# Altium PCB MIRA220CSP.PcbDoc (continued)
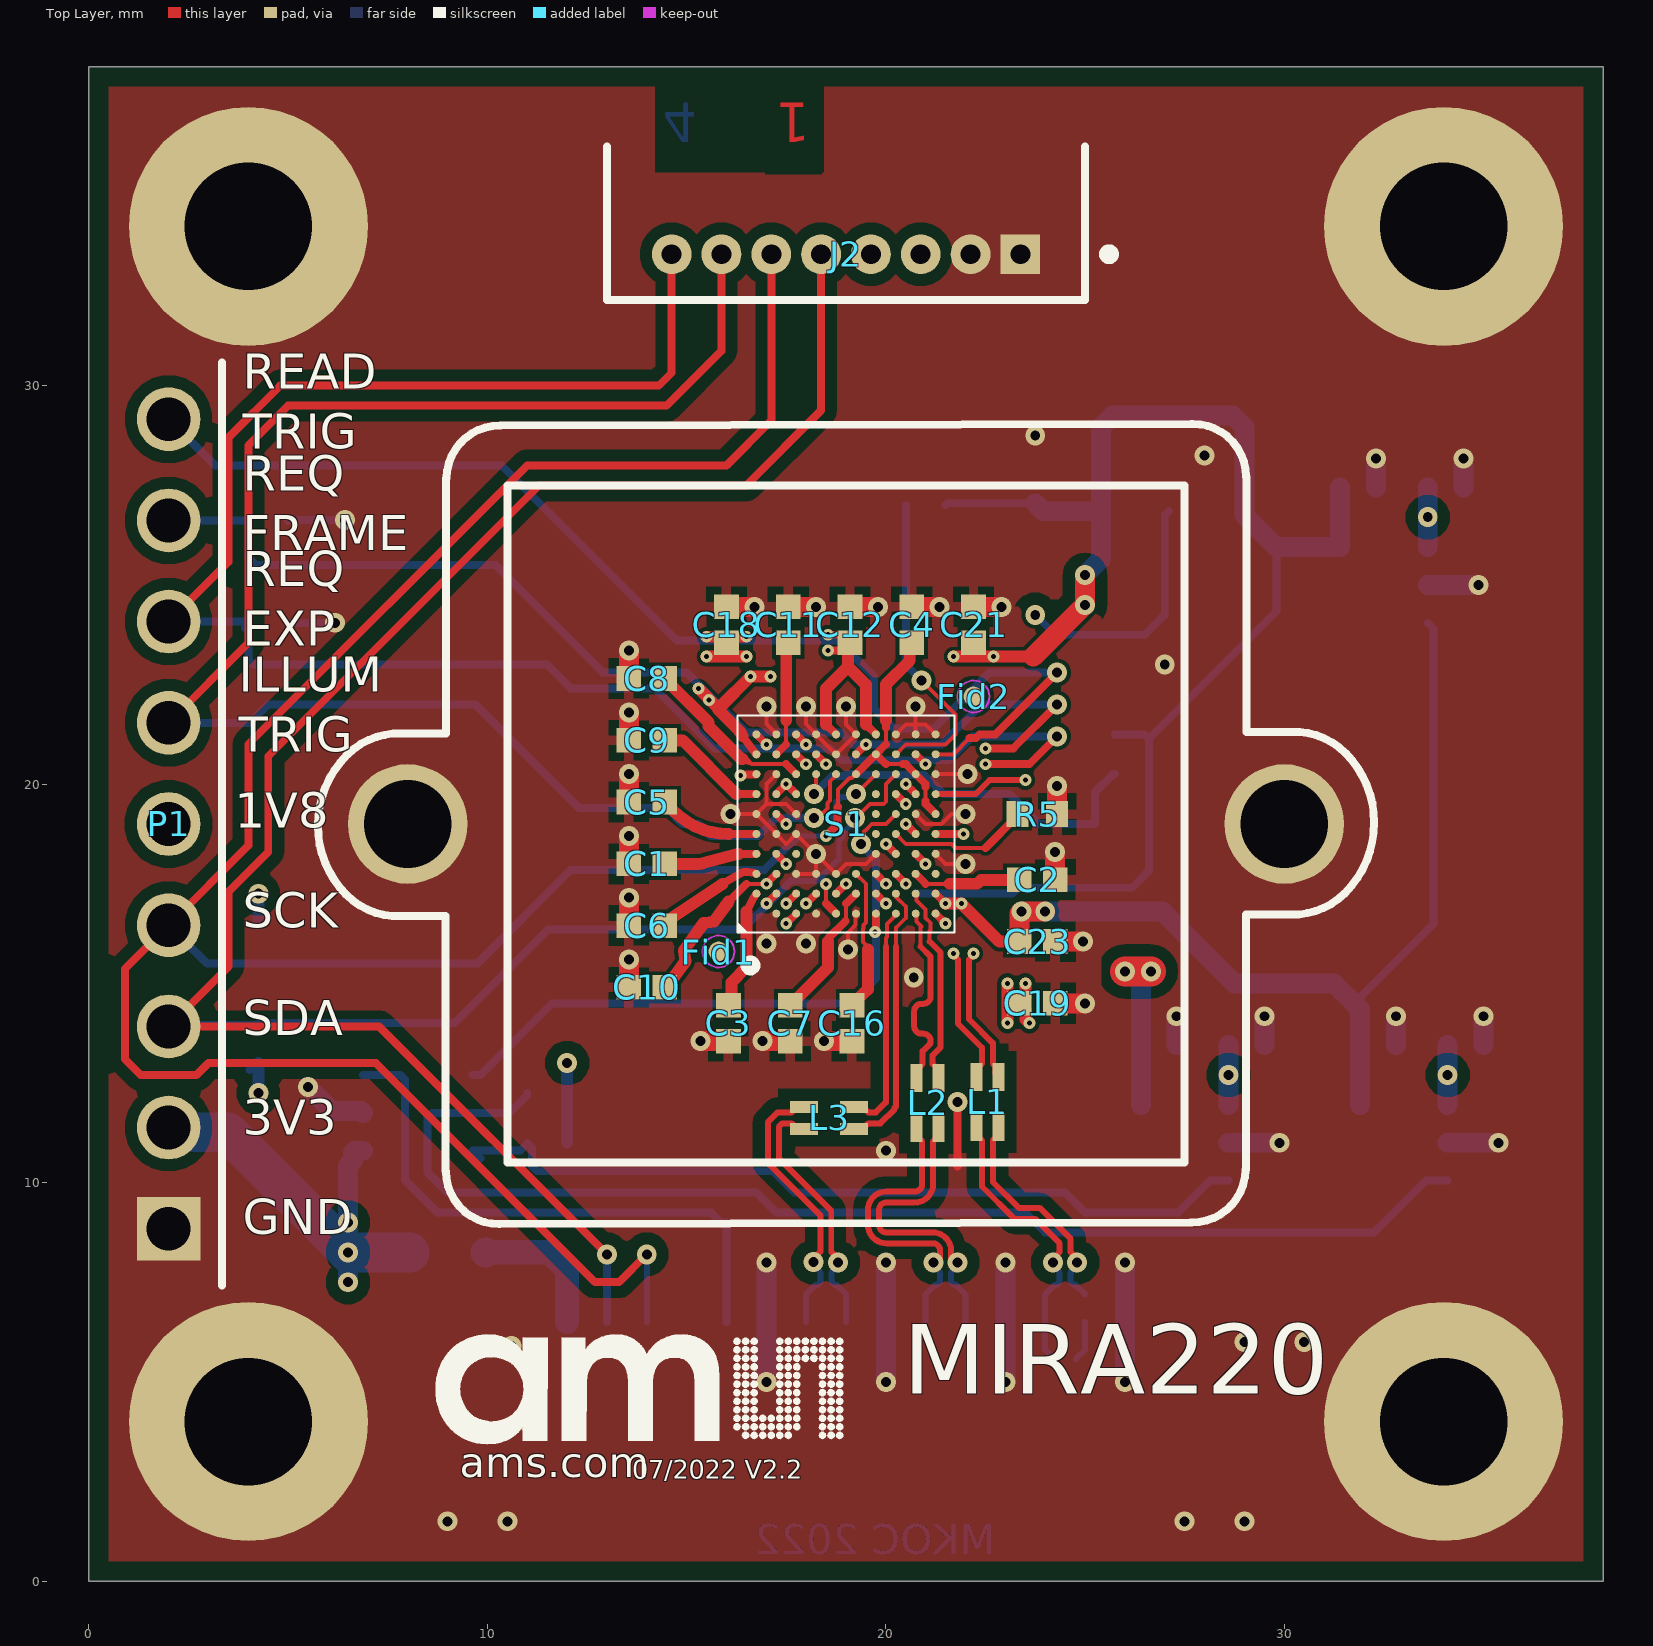
[diagram p0: Top Layer view]
## Nets (pads, with @x,y where several pads share a name; then routed paths per layer and width w, separated by ;. In a path a pad name is that pad's centre, name@x,y a point inside that pad or via, vN(x,y) a via of type N, cw(c..) or ccw(c..) an arc to the next point about the centre after c; other vN are vias at no path point) (continued)
NC_C10: S1.C10
NC_D3: S1.D3
NC_E7: S1.E7
NC_F7: S1.F7
NC_G7: S1.G7
NetJ1_15: J1.15 R1.1 | length 3.5
  Bottom Layer w0.61: R1.1 11.561,8.25 12,7.811 J1.15
R_EXT: R5.2 S1.E8 | length 3.6
  Top Layer w0.1: S1.E8 20.5,18.5 21.65,18.5 21.75,18.4 22.5,18.4 ; R5.2@23.3,19.2 R5.2
  Top Layer w0.2: 22.5,18.4 R5.2@23.3,19.2
READ_TRIGGER: P1.9 S1.J10 | length 30.5
  Top Layer w0.1: S1.J10 21.7,20.75 22.103,21.153
  Top Layer w0.2: 22.103,21.153 22.258,21.153 22.355,21.25 22.75,21.25 v1(24.3,22.8)
  Bottom Layer w0.2: P1.9 3.16,28 10.36,28 14.76,23.6 18.8,23.6 19.7,22.7 19.7,21.9 20.2,21.4 21.2,21.4 22.6,22.8 v1(24.3,22.8)
REQ_EXP: J2.8 P1.7 R2.1 S1.G8 | length 49.9
  Top Layer w0.2: P1.7 3.5,25.58 3.5,28.7 4.8,30 14.3,30 14.625,30.325 J2.8 ; S1.G8 v2(20.5,19.5) ; v2(22.5,20.5) 23.6,20.5 v1(24.3,21.2) v1@24.4,21.2
  Layer 2 w0.1: v2(20.5,19.5) 21,19.5 21.65,20.15 21.65,20.416 21.884,20.65 22.296,20.65 22.446,20.5 v2(22.5,20.5)
  Bottom Layer w0.2: P1.7 3.92,24.08 R2.1 ; R2.1@3.92,23.92 R2.1 ; v1(24.3,21.2) 22.175,21.2 21.575,20.6 18.9,20.6 18.6,20.9 15.7,20.9 14.2,22.4 12.1,22.4 11.5,23 4.117,23 4,23.117 R2.1
REQ_FRAME: P1.8 R3.1 S1.G9 | length 30.8
  Top Layer w0.2: v2(20.5,20) S1.G9 ; v2(22.5,20.9) 23.2,20.9 v1(24.3,22)
  Layer 2 w0.1: v2(20.5,20) 21.2,20 21.45,20.25 21.45,20.499 21.801,20.85 22.001,20.85 22.051,20.9 v2(22.5,20.9)
  Bottom Layer w0.2: P1.8@2.06,26.56 P1.8 3.98,26.62 R3.1 4,25.7 4.2,25.5 10.2,25.5 12.9,22.8 15,22.8 16.5,21.3 18.875,21.3 19.175,21 21.4,21 22.4,22 v1(24.3,22)
SCK: J1.13 J2.6 P1.4 R13.1 S1.H7 | length 68
  Top Layer w0.1: v3(19.25,19.75) S1.H7
  Top Layer w0.2: v1(14,8.2) 13.3,7.5 12.7,7.5 7.2,13 3,13 2.7,12.7 1.3,12.7 0.9,13.1 0.9,15.36 P1.4 4,18.46 4,21 11,28 16,28 17.125,29.125 J2.6
  Bottom Layer w0.125: 17.8,18.7 18.527,18.7 18.663,18.836 18.663,19.238 18.75,19.325 18.75,19.55
  Bottom Layer w0.15: J1.13 v1(14,8.2) ; 18.75,19.55 18.883,19.683 19.183,19.683 v3(19.25,19.75)
  Bottom Layer w0.2: P1.4 2.96,15.5 R13.1 9.75,15.5 12.1,17.85 16.95,17.85 17.8,18.7
SDA: J1.14 J2.5 P1.3 R12.1 S1.H8 | length 65.8
  Top Layer w0.1: v3(19.231,19.15) 19.25,19.15 19.6,19.5 19.941,19.5 20,19.559 20,20 S1.H8
  Top Layer w0.2: v1(13,8.2) 7.28,13.92 P1.3 3.5,15.42 3.5,17.3 4.5,18.3 4.5,20.7 11.3,27.5 16.5,27.5 18.375,29.375 J2.5
  Bottom Layer w0.125: 18.825,18.125 18.825,18.568 18.913,18.656 18.913,18.692 18.938,18.716 18.938,18.794 19.231,19.088 v3(19.231,19.15)
  Bottom Layer w0.15: 17.625,17.575 18.275,17.575 18.825,18.125
  Bottom Layer w0.2: P1.3 2.04,13.96 4.21,13.96 R12.1 9.173,14 11.523,16.35 16.4,16.35 17.625,17.575 ; J1.14 v1(13,8.2)
VDD11A: C2.1 S1.C9 | length 2.9
  Top Layer w0.1: 21,17.5 21.6,17.5 ; C2.1@23.25,17.5 C2.1
  Top Layer w0.2: S1.C9 21,17.5
  Top Layer w0.3: 21.6,17.5 22.292,17.5 22.392,17.6 C2.1
VDD11D: C4.1 S1.A5 S1.F10 S1.H6 S1.H9 S1.J7 | length 10.8
  Top Layer w0.1: 18.5,17.003 v2(18.5,17.495) ; S1.A5 S1.A5@18.75,16.753 ; 18.8,19 18.8,19.433 18.8,19.866 19.055,20.121 cw(c19.126,20.05) 19.109,20.149 19.126,20.151 ccw(c19.109,20.25) 19.179,20.179 19.2,20.2 S1.H6 ; 20,20.5 20.424,20.5 20.5,20.5 ; 20,21 20,21.416 ; 21,19.5 21,19.576 21,19.924 21,20
  Top Layer w0.2: 18.5,17.003 S1.A5@18.75,16.753 ; v2(18.5,18.7) 18.8,19 18.781,19.019 18.781,19.414 18.8,19.433 ; S1.H6 S1.J7 ; 20,20.5 S1.J7 ; 20,21 S1.J7 ; 20,21.416 20,21.495 20,21.603 ; 20.5,20.5 S1.H9 21,20 ; 21,19.5 S1.F10
  Top Layer w0.3: 20,21.603 20,22.5 20.6,23.1 C4.1@20.6,23.55
  Layer 2 w0.2: v2@18.5,17.5 18.5,17.85 18.7,18.05 18.7,18.5 v2(18.5,18.7)
VDD11P: C7.1 S1.B6 | length 3.4
  Top Layer w0.1: 19,16.646 19,17
  Top Layer w0.2: 18.55,16.057 18.55,16.126 18.992,16.568 ; 19,17 S1.B6
  Top Layer w0.3: C7.1 18.55,15.4 18.55,16.057
VDD18: C20.2 C21.2 C24.2 P1.5 R7.1 R8.2 R9.2 S1.E10 S1.J6 S1.J9 U2.5 X1.1 X1.4 | length 79.2
  Top Layer w0.2: S1.J6 v2(19.5,21) ; S1.J9 v2(21,20.5) ; S1.E10 v2(21.95,18.75) ; 22.2,23.2 C21.2
  Top Layer w0.3: v2(21.7,23.2) 22.2,23.2 v2(22.7,23.2) 23.7,23.2
  Top Layer w0.5: 23.7,23.2 v1(25,24.5) v1(25,25.25)
  Layer 2 w0.3: v2(19.5,21) 20.5,21 ; v2(21,20.5) 20.504,20.996 20.823,21.316 22.809,21.316 22.95,21.175 ; v2(21.7,23.2) v2(22.7,23.2) 22.95,22.95 22.95,21.175 ; v2(21.95,18.75) 22.3,18.75 22.95,19.4 22.95,21.175
  Layer 2 w0.5: P1.5 9,26 24.25,26 v1(25,25.25) v1(25,24.5)
  Bottom Layer w0.2: R7.1 23.178,17.25 23.328,17.4 26.183,17.4 26.6,17.817 26.6,21.133 ; R9.2 21.55,27.05 C24.2 ; R8.2 26.483,21.25 26.6,21.133 ; 29.8,25.95 29.8,24.333 26.6,21.133
  Bottom Layer w0.5: C24.2 23.95,26.85 X1.4 ; v1(25,24.5) v1(25,25.25) 25.4,25.65 X1.4 ; C20.2 U2.5 29.8,25.95 29,26.75 29,28.957 28.707,29.25 25.693,29.25 25.4,28.957 X1.1 X1.4
VDD25: C17.2 C18.2 C19.2 S1.A3 S1.A7 S1.A10 S1.B2 S1.B3 S1.B4 S1.D2 S1.D8 S1.D9 S1.E9 S1.F2 S1.G2 S1.G3 S1.H1 S1.J3 S1.J4 S1.K1 S1.K3 U1.5 | length 15.5
  Top Layer w0.2: v2(16.347,20.219) 16.367,20.238 16.738,20.238 S1.H1 ; S1.K1 v2(17,21) ; v2(17,17) S1.B2 ; S1.D2 v2(17.5,18) ; S1.F2 v2(17.5,19) ; S1.G2 v2(17.5,20) S1.G3 ; v2(17.5,16.5) S1.A3 ; v2(17.5,17) S1.B3 ; S1.J3 v2(18,20.5) ; S1.K3 v2(18,21) ; v2(18,17) S1.B4 ; S1.J4 v2(18.5,20.5) ; v2(19.728,16.291) 19.747,16.31 19.747,16.418 19.75,16.421 S1.A7 ; v2(20,18.5) S1.D8 ; v2(20.5,19) S1.E9 ; S1.D9 v2(21,18) ; S1.A10 v2(21.5,16.5)
  Top Layer w0.3: v2(15.5,23.2) v2(16.5,23.2) ; v2(15.5,23.7) v2(16.5,23.7) ; v2(23.05,14) v2(23.05,15) ; v2(23.5,15) 23.5,14.65 C19.2 23.51,14.34 23.51,14.09 v2(23.6,14)
  Top Layer w0.75: v1(26,15.3) v1(26.65,15.3)
  Bottom Layer w0.5: U1.5 C17.2 26.4,15.05 v1(26.65,15.3)
  Bottom Layer w0.75: v1(26,15.3) v1(26.65,15.3)
VDD33: C13.2 C14.2 C15.2 J2.3 J2.4 P1.2 R1.2 R4.1 R6.1 R12.2 R13.2 U1.1 U2.1 U3.1 U4.1 | length 149.6
  Layer 3 w0.3: v1(6.5,9) 10.5,13 v1(12,13)
  Layer 3 w1: 20.25,35.375 20.25,33.3 ; v1(4.25,12.25) v1(4.25,17.25) 4.25,28.914 4.836,29.5 7.4,29.5 12.7,34.8 19.625,34.8 ; v1(4.25,12.25) 3.495,11.495 2.115,11.495 P1.2 5.12,11.38 ; v1(4.25,12.25) 5.12,11.38 ; 5.12,11.38 6.5,10 v1(6.5,9) v1(6.5,8.25) v1(6.5,7.5) 11.6,7.5 15.6,3.5 26.2,3.5 27.2,4.5 27.2,6.9 28.6,8.3 v1(28.6,12.7) v1(34.1,12.7) 34.1,19.45 33.6,19.95 v1(33.6,26.7) 31.086,26.7 30.5,27.286 30.5,28.5 23.5,35.5 21,35.5 ; 19.625,34.8 J2.4 20.25,33.3 ; 19.625,34.8 19.625,35.425 19.7,35.5 20.25,35.5 21,35.5 ; 20.25,33.3 J2.3 20.875,35.375 21,35.5
  Bottom Layer w0.2: R12.2@4.025,12.825 4.2,13 R12.2
  Bottom Layer w0.3: v1(4.25,12.25) R12.2 ; R13.2 v1(4.25,17.25) ; R4.1 R6.1 v1(12,13)
  Bottom Layer w0.5: v1(6.5,7.5) v1(6.5,8.25) v1(6.5,9) 6.5,10.425 6.625,10.55 6.625,10.75 6.675,10.8 U4.1 ; U1.1 v1(28.6,12.7) C13.2 ; U2.1 v1(33.6,26.7) C14.2 ; U3.1 v1(34.1,12.7) C15.2
  Bottom Layer w1: P1.2 2.115,11.265 3.485,11.265 v1(6.5,8.25) R1.2
VDD135: C22.2 C23.2 S1.B5 S1.B7 S1.B10 U2.3 U3.5 | length 31.3
  Top Layer w0.2: S1.B5 v2(19,17.5) ; S1.B7 v2(20,17) ; S1.B10 v2(21.5,17)
  Top Layer w0.3: v2(21.5,17) v2(21.9,17) 22.85,16.05 C23.2
  Top Layer w0.5: C23.2 23.35,16.75 v1(23.4,16.8) v1(24,16.8)
  Layer 2 w0.2: v2(19,17.5) 19.5,17.5 ; v2(20,17) 19.5,17.5 ; v2(21.5,17) 20.5,18 20,18 19.5,17.5
  Layer 2 w0.3: v2(21.5,17) v2(21.9,17)
  Bottom Layer w0.2: 31.9,14.35 31.9,14.65 33.75,16.5 33.75,23.9 U2.3
  Bottom Layer w0.5: v1(23.4,16.8) v1(24,16.8) 26.95,16.8 27.096,16.654 28.75,15 31.25,15 31.9,14.35 C22.2 U3.5
VDDINT_2: C1.2 S1.D1 | length 2.3
  Top Layer w0.2: 16.3,18.25 S1.D1
  Top Layer w0.3: C1.2 15.311,18 ccw(c15.311,18.3) 15.387,18.01 ; 15.388,18.01 16.3,18.25
VDDINT_3: C3.2 S1.B1 | length 3.1
  Top Layer w0.2: 16.5,16.8 16.69,17.162 cw(c17,17) 16.72,17.21 S1.B1
  Top Layer w0.3: C3.2 16.128,14.528 16.128,15.028 16.5,15.4 16.5,16.8
VDDINT_4: C5.2 S1.E1 | length 2.5
  Top Layer w0.2: 16.05,18.75 S1.E1
  Top Layer w0.3: C5.2 14.682,19.318 ccw(c16.05,20.681) 16.05,18.75
VDDINT_5: C6.2 S1.C1 | length 2.7
  Top Layer w0.2: C6.2 C6.2@14.66,16.66 ; 15.897,17.498 cw(c16.009,17.332) 15.908,17.505 16.35,17.76 cw(c16.5,17.5) 16.536,17.798 16.645,17.785 S1.C1
  Top Layer w0.3: C6.2@14.66,16.66 15.897,17.498
VDDINT_6: C8.2 S1.H3 | length 4.9
  Top Layer w0.1: 16.363,20.586 16.645,20.5 ; 17.5,20.5 16.645,20.5 ; 16.412,20.622 16.406,20.622 16.4,20.629 16.412,20.622 ; 16.412,20.622 16.522,20.622 16.645,20.5 ; 16.412,20.622 16.645,20.5
  Top Layer w0.2: 17.5,20.5 S1.H3
  Top Layer w0.3: C8.2 15.55,21.55 15.55,21.455 16.376,20.629 16.4,20.629
VDDINT_7: C10.2 C12.2 S1.C2 S1.J1 S1.K5 S1.K7 | length 22.6
  Top Layer w0.1: C10.2 14.61,15.06 C10.2@14.71,15.16 ; 16.5,17.5 v2(17,17.5) ; v2(18.55,23.35) 18.59,23.35 v2@18.64,23.3 ; v2@18.55,23.738 v2(18.55,23.75) ; C12.2@18.936,23.3 19.04,23.3 19.05,23.29 19.05,23.5 C12.2@19.05,23.55
  Top Layer w0.2: 16.05,17.05 16.5,17.5 ; 16.421,21.179 cw(c16.579,21.301) 16.403,21.207 16.423,21.181 S1.J1 ; v2(17,17.5) S1.C2 ; 18.5,21.5 S1.K5 ; v2(18.55,23.75) 18.9,23.75 C12.2 19.05,23.5 18.9,23.35 v2@18.59,23.35 ; 19.5,21.5 S1.K7
  Top Layer w0.3: C10.2@14.61,15.06 14.97,15.557 14.927,15.823 15.424,16.51 15.69,16.553 16.05,17.05 ; v2(15.3,22.4) 15.783,21.917 15.783,21.883 16.325,21.34 16.325,21.325 ; 15.85,21.95 v2(16.6,22.7) v2(17.1,22.7) ; 16.326,21.324 cw(c16.112,21.113) 16.376,21.256 16.402,21.208 ; 18.5,21.5 18.5,22.4 19.05,22.95 ; C12.2@19.05,23.29 19.05,22.95 ; 19.5,21.5 19.5,22.5 19.05,22.95
  Layer 2 w0.1: v2@18.526,23.75 v2(18.55,23.75)
  Layer 2 w0.3: v2(15.3,22.4) 15.3,22.366 v2(15.558,22.108) 15.558,20.533 15.55,20.525 15.55,18.95 v2(17,17.5) ; v2(16.6,22.7) 17.9,22.7 v2(18.55,23.35) v2(18.55,23.75)
VDDNEG_1: C9.1 S1.G1 | length 2.9
  Top Layer w0.2: 16.25,19.75 S1.G1
  Top Layer w0.3: C9.1 14.9,21.1 16.25,19.75
VDDNEG_2: C11.1 S1.J2 | length 3
  Top Layer w0.1: 17.5,21 17.5,21.6 ; C11.1@17.5,23.5 C11.1@17.5,23.55
  Top Layer w0.2: S1.J2 17.5,21
  Top Layer w0.3: 17.5,21.6 17.5,23.5 C11.1
pads on no net: Fid1.0 Fid2.0 U1.4 U2.4 U3.4

## Polygon pours and split planes (outlines as drawn)
GND on Layer 2 "GND_L02_P003" (solid, remove dead copper, pour order 3): 0.5,0.5 37.5,0.5 37.5,37.5 0.5,37.5
VDD25 on Layer 2 "VDD25_L02_P001" (solid, remove dead copper, pour order 1): 27,13.5 22.5,13.5 22.5,14.5 21.3,15.2 19.5,15.2 18.5,14.5 16,14.5 14.5,16 14.5,23.5 15.5,24.5 25.2,24.5 27,22.7
GND on Top Layer "GND_L01_P004" (solid, remove dead copper, pour order 4): 0.5,0.5 37.5,0.5 37.5,37.5 0.5,37.5
GND on Top Layer "GND_L01_P000" (solid, remove dead copper, pour order 0): 25.4,13.5 13.5,13.5 13.5,24.45 25.4,24.45
GND on Layer 3 "GND_L03_P002" (solid, remove dead copper, pour order 2): 0.5,0.5 37.5,0.5 37.5,37.5 0.5,37.5
GND on Bottom Layer "GND_L04_P005" (solid, remove dead copper, pour order 5): 0.5,0.5 37.5,0.5 37.5,37.5 0.5,37.5

## Other copper
Top Layer:
  pour cut-out: 15.8,15.3 cw(c15.8,15.8) 15.3,15.8 cw(c15.8,15.8) 15.8,16.3 cw(c15.8,15.8) 16.3,15.8 cw(c15.8,15.8)
  pour cut-out: 22.2,21.7 cw(c22.2,22.2) 21.7,22.2 cw(c22.2,22.2) 22.2,22.7 cw(c22.2,22.2) 22.7,22.2 cw(c22.2,22.2)
  pour cut-out: 18.45,37.85 18.45,35.35 14.2,35.35 14.2,37.85
  text "1" at 18.1,37.1 h1 r180
Layer 2:
  pour cut-out: 18.45,37.85 18.45,35.35 14.2,35.35 14.2,37.85
  text "2" at 17.4,37.1 h1 r180
Layer 3:
  pour cut-out: 18.45,37.85 18.45,35.35 14.2,35.35 14.2,37.85
  text "3" at 16.4,37.1 h1 r180
Bottom Layer:
  pour cut-out: 18.45,37.85 18.45,35.35 14.2,35.35 14.2,37.85
  text "4" at 14.4,37.1 h1 r180
  text "MKOC 2022" at 22.75,0.668 h0.75

## Silkscreen, mask and mechanical layers (free items; w line width, h text height)
Top Overlay:
  drawing of 146 lines, arcs and shapes, not listed
  text "READ / TRIG" at 3.857,28.132 h1.5
  text "REQ / FRAME" at 3.857,25.579 h1.5
  text "REQ / EXP" at 3.857,23.179 h1.5
  text "ILLUM / TRIG" at 3.757,20.528 h1.5
  text "1V8" at 3.657,18.612 h1.5
  text "SCK" at 3.857,16.111 h1.5
  text "SDA" at 3.857,13.412 h1.5
  text "3V3" at 3.857,10.912 h1.5
  text "GND" at 3.857,8.412 h1.5
  text "MIRA220" at 20.439,4.123 h3
  text "07/2022 V2.2" at 13.637,2.41 h0.8
  text "ams.com" at 9.31,2.353 h1.3
Bottom Overlay:
  drawing of 2 lines, arcs and shapes, not listed
  text "MIRA220" at 29.73,30.354 h3
  text "38.4MHz" at 28.559,27.1 h1 r90
  text "A1" at 19.75,25.991 h1
  text "1V8" at 31.4,24.741 h1
  text "A0" at 26.7,19.241 h1
  text "2V5" at 26.5,10.741 h1
  text "1V35" at 32,10.741 h1
  text "3V3" at 9.6,6.541 h1
Top Solder:
  region: 18.325,37.35 14.3,37.35 14.3,35.55 18.325,35.55
Bottom Solder:
  circle w0.3: c27,7.8 r0.15
  region: 18.325,37.35 14.3,37.35 14.3,35.55 18.325,35.55
Sheet:
  drawing of 198 lines, arcs and shapes, not listed
  text "1" at -9.54,157.649 h6
  text "2" at 35.461,157.649 h6
  text "3" at 80.461,157.649 h6
  text "4" at 125.461,157.649 h6
  text "5" at 170.461,157.649 h6
  text "6" at 215.461,157.649 h6
  text "A" at -29.806,139.899 h6
  text "A" at 242.194,139.899 h6
  text "B" at -29.806,93.149 h6
  text "B" at 242.194,93.149 h6
  text "C" at -29.92,43.149 h6
  text "D" at -29.92,-6.851 h6
  text "D" at 242.08,-6.851 h6
  text "Drawn" at 132.14,-9.5 h3.2
  text "Checked" at 169.14,-9.5 h3.2
  text "Drawing No." at 192.161,-9.5 h3.2
  text "MKOC" at 134.14,-13.5 h4
  text "Title, Comments" at 132.14,-18.5 h3.2
  text "Project" at 192.14,-18.5 h3.2
  text "MIRA220 CSP" at 134.14,-22.5 h4
  text "MIRA220" at 194.14,-22.5 h4
  text "Reference Design - RPI" at 134.14,-26.5 h3.8
  text "Borsbeeksebrug 36 | 2600 Antwerpen | Belgium" at 79.5,-27.5 h3
  text "Rev." at 192.14,-27.5 h3.2
  text "Date" at 201.14,-27.5 h3.2
  text "size" at 229.671,-27.5 h2
  text "A4" at 234.14,-27.5 h3.2
  text "ams-osram.com" at 79.5,-30.5 h3
  text "2.2" at 192.5,-31.5 h4
  text "11-July-2022" at 203.14,-31.5 h4
  text "scale" at 229.671,-32 h2
  text "1:1" at 234.14,-32.5 h3.2
  text "mm 0" at 134.765,-36.5 h3
  text "50" at 188.298,-36.506 h3
  text "100" at 237.14,-36.5 h3
  text "1" at -9.54,-37.5 h6
  text "2" at 35.461,-37.5 h6
  text "3" at 80.461,-37.5 h6
  text "4" at 125.461,-37.5 h6
Board:
  the board outline again, w0.1
Fab Notes:
  drawing of 347 lines, arcs and shapes, not listed
  text "Layer" at -17.828,123.2 h1.2
  text "Name" at -9.729,123.2 h1.2
  text "Material" at 8.765,123.2 h1.2
  text "Thickness" at 20.662,123.2 h1.2
  text "Constant" at 33.559,123.2 h1.2
  text "Board Layer Stack" at 44.856,123.2 h1.2
  text "Top Overlay" at -9.729,120.8 h1.2
  text "Top Solder" at -9.729,118.4 h1.2
  text "SM-002" at 8.765,118.4 h1.2
  text "0.025mm" at 20.662,118.4 h1.2
  text "4" at 33.559,118.4 h1.2
  text "1" at -17.828,116 h1.2
  text "Top Layer" at -9.729,116 h1.2
  text "CF-004" at 8.765,116 h1.2
  text "0.035mm" at 20.662,116 h1.2
  text "Dielectric 4" at -9.729,113.6 h1.2
  text "PP-006" at 8.765,113.6 h1.2
  text "0.071mm" at 20.662,113.6 h1.2
  text "4.1" at 33.559,113.6 h1.2
  text "Dielectric 6" at -9.729,111.2 h1.2
  text "PP-006" at 8.765,111.2 h1.2
  text "0.071mm" at 20.662,111.2 h1.2
  text "4.1" at 33.559,111.2 h1.2
  text "2" at -17.828,108.8 h1.2
  text "Layer 2" at -9.729,108.8 h1.2
  text "CF-004" at 8.765,108.8 h1.2
  text "0.035mm" at 20.662,108.8 h1.2
  text "Dielectric 3" at -9.729,106.4 h1.2
  text "Core-039" at 8.765,106.4 h1.2
  text "0.711mm" at 20.662,106.4 h1.2
  text "4.8" at 33.559,106.4 h1.2
  text "3" at -17.828,104 h1.2
  text "Layer 3" at -9.729,104 h1.2
  text "CF-004" at 8.765,104 h1.2
  text "0.035mm" at 20.662,104 h1.2
  text "Dielectric 7" at -9.729,101.6 h1.2
  text "PP-006" at 8.765,101.6 h1.2
  text "0.071mm" at 20.662,101.6 h1.2
  text "4.1" at 33.559,101.6 h1.2
  text "Dielectric 5" at -9.729,99.2 h1.2
  text "PP-006" at 8.765,99.2 h1.2
  text "0.071mm" at 20.662,99.2 h1.2
  text "4.1" at 33.559,99.2 h1.2
  text "4" at -17.828,96.8 h1.2
  text "Bottom Layer" at -9.729,96.8 h1.2
  text "CF-004" at 8.765,96.8 h1.2
  text "0.035mm" at 20.662,96.8 h1.2
  text "Bottom Solder" at -9.729,94.4 h1.2
  text "SM-002" at 8.765,94.4 h1.2
  text "0.025mm" at 20.662,94.4 h1.2
  text "4" at 33.559,94.4 h1.2
  text "Bottom Overlay" at -9.729,92 h1.2
  text "Total board thickness:" at -17.828,89.6 h1.2
  text "1.186mm" at 20.662,89.6 h1.2
Top Component Center:
  lines w0.1: 18.5,19 19.5,19 ; 19,18.5 19,19.5
Drill Drawing:
  circle w0.15: c-18.468,136.706 r0.556
  lines w0.15: -19.024,133.928 -18.746,133.928 -18.746,133.65 -18.191,133.65 -18.191,133.928 -17.913,133.928 -17.913,134.483 -18.191,134.483 -18.191,134.761 -18.746,134.761 -18.746,134.483 -19.024,134.483 -19.024,133.928 ; -19.024,138.928 -18.746,138.928 -18.468,138.65 -18.191,138.928 -17.913,138.928 -18.191,139.206 -17.913,139.483 -18.191,139.483 -18.468,139.761 -18.746,139.483 -19.024,139.483 -18.746,139.206 -19.024,138.928 ; -19.024,141.15 -17.913,141.15 -17.913,142.261 -19.024,142.261 -19.024,141.15 ; -19.024,143.65 -18.468,143.928 -17.913,143.65 -18.191,144.206 -17.913,144.761 -18.468,144.483 -19.024,144.761 -18.746,144.206 -19.024,143.65 ; -19.024,147.261 -17.913,147.261 -18.468,146.15 -19.024,147.261
  lines w0.381: -20.015,132.9 68.927,132.9 ; -20.015,147.9 68.927,147.9 ; -10.887,130.4 -10.887,150.4 ; -1.09,130.4 -1.09,150.4 ; 10.887,130.4 10.887,150.4 ; 19.265,130.4 19.265,150.4 ; 31.441,130.4 31.441,150.4 ; 58.4,130.4 58.4,150.4 ; -20.015,130.4 68.927,130.4 68.927,150.4 -20.015,150.4 -20.015,130.4
  text "Symbol" at -18.515,148.65 h1.2
  text "Count" at -10.137,148.65 h1.2
  text "Hole Size" at -0.34,148.65 h1.2
  text "Plated" at 11.637,148.65 h1.2
  text "Hole Type" at 20.015,148.65 h1.2
  text "Drill Layer Pair" at 32.191,148.65 h1.2
  text "Via/Pad" at 59.15,148.65 h1.2
  text "52" at -10.137,146.15 h1
  text "0.125mm" at -0.34,146.15 h1
  text "PTH" at 11.637,146.15 h1
  text "Round" at 20.015,146.15 h1
  text "[uVia] Top Layer - Layer 2" at 32.191,146.15 h1
  text "Via" at 59.15,146.15 h1
  text "97" at -10.137,143.65 h1
  text "0.250mm" at -0.34,143.65 h1
  text "PTH" at 11.637,143.65 h1
  text "Round" at 20.015,143.65 h1
  text "Top Layer - Bottom Layer" at 32.191,143.65 h1
  text "Via" at 59.15,143.65 h1
  text "8" at -10.137,141.15 h1
  text "0.500mm" at -0.34,141.15 h1
  text "PTH" at 11.637,141.15 h1
  text "Round" at 20.015,141.15 h1
  text "Top Layer - Bottom Layer" at 32.191,141.15 h1
  text "Pad" at 59.15,141.15 h1
  text "9" at -10.137,138.65 h1
  text "1.100mm" at -0.34,138.65 h1
  text "PTH" at 11.637,138.65 h1
  text "Round" at 20.015,138.65 h1
  text "Top Layer - Bottom Layer" at 32.191,138.65 h1
  text "Pad" at 59.15,138.65 h1
  text "2" at -10.137,136.15 h1
  text "2.200mm" at -0.34,136.15 h1
  text "PTH" at 11.637,136.15 h1
  text "Round" at 20.015,136.15 h1
  text "Top Layer - Bottom Layer" at 32.191,136.15 h1
  text "Pad" at 59.15,136.15 h1
  text "4" at -10.137,133.65 h1
  text "3.200mm" at -0.34,133.65 h1
  text "PTH" at 11.637,133.65 h1
  text "Round" at 20.015,133.65 h1
  text "Top Layer - Bottom Layer" at 32.191,133.65 h1
  text "Pad" at 59.15,133.65 h1
  text "172 Total" at -10.137,131.15 h1

## Dimensions
4,34 to 34,34 on Dimensions
34,4 to 34,34 on Dimensions
38,0 to 38,38 on Dimensions
0,38 to 38,38 on Dimensions